# Allegro board gps_interface_boardv46ph.brd (continued)
## Routing (per net, layer and track width the routed paths; a pad name or vN(x,y) marks a point on that pad's centre or on a via; arc(x,y) is an arc through that point) (continued)
FMC.SCL3: length 257.2
  TOP w0.203: TP39.1 80.31,104.34 84.18,104.34 87.22,107.39 U19.11 ; v1(240.51,118.8) 240.51,119.05 240.51,119.05 J18.5
  SIG w0.33: 78.44,106.17 TP39.1 78.71,106.17 80.92,108.38 99.24,108.38 104.47,113.61 104.47,131.05 108.82,135.41 132.2,135.41 136.49,131.11 151.65,131.11 155.92,135.38 166.66,135.38 171.36,140.08 174.87,140.08 179.36,135.59 187.23,135.59 191.68,140.03 197.22,140.03 201.67,135.59 212.25,135.59 217,140.34 219.93,140.34 225.21,135.05 241.4,135.05 244.3,132.16 244.3,121.34 243.46,120.5 242.21,120.5 v1(240.51,118.8)
  BOTTOM w0.203: TP39.1 76.99,107.67 73.15,107.67 72.49,108.33 72.49,117.65 73.51,118.67 R84.2
FMC.SCL4: length 132.9
  TOP w0.203: J19.5 211.27,119.05 211.28,119.05 v1(211.28,118.8) ; TP33.1 118.16,105.92 101.4,105.92 99.93,107.39 U19.14
  SIG w0.203: v1(211.28,118.8) 210.16,118.8 208.32,116.95 207.12,116.95 206.36,117.72 204.28,117.72 193.19,106.63 186.89,106.63 185.22,104.95 185.22,104.37 184.78,103.94 177.01,103.94 175.34,102.26 158.42,102.26 157.05,103.63 153.52,103.63 151.28,101.4 129.79,101.4 127.51,103.68 124.99,103.68 123.75,104.93 119.58,104.93 118.41,106.1 TP33.1
  BOTTOM w0.203: R96.1 116.18,108.41 TP33.1
FMC.SCL5: length 121.7
  TOP w0.203: J20.5 188.97,119.05 188.98,119.05 v1(188.98,118.8) ; U19.16 100.18,108.69 101.83,107.04 115.75,107.04 TP31.1
  SIG w0.203: v1(188.98,118.8) 190.32,117.45 191.36,117.45 192.51,116.31 192.51,109.6 191.08,108.18 179.78,108.18 174.9,103.3 158.85,103.3 157.48,104.67 153.09,104.67 150.85,102.44 130.23,102.44 127.94,104.72 125.43,104.72 122.17,107.98 120.19,107.98 118.47,109.7 TP31.1
  BOTTOM w0.203: TP31.1 118.21,109.5 114.25,109.5 113.59,110.16 R98.1
FMC.SCL6: length 89.8
  TOP w0.203: v1(166.85,118.8) 166.85,119.05 166.85,119.05 J21.5 ; TP34.1 117.83,113.82 110.85,113.82 105.21,108.18 102.26,108.18 100.45,109.99 U19.18
  SIG w0.203: v1(166.85,118.8) 165.46,118.8 161.26,122.99 161.26,124.26 160.1,125.43 151.82,125.43 144.86,118.47 142.34,118.47 141.12,117.25 130,117.25 124.71,111.96 119.68,111.96 TP34.1
  BOTTOM w0.203: R100.1 112.76,112.76 113.56,113.56 118.08,113.56 TP34.1
FMC.SCL_FPGA: length 189.7
  TOP w0.203: v1(140.34,6.06) 140.34,4.77 139.81,4.24 112.19,4.24 105.84,10.59 105.84,14.53 90.12,30.25 90.12,71.53 v1(95.05,76.45) ; TP25.1 118.34,116.84 106.35,116.84 102.1,112.59 U19.22
  SIG w0.203: TP25.1 115.24,116.76 111.66,113.18 111.66,104.57 101.65,94.56 101.65,83.06 v1(95.05,76.45)
  BOTTOM w0.203: R91.2 118.43,116.78 TP25.1
  BOTTOM w0.33: J8.C30 v1(140.34,6.06)
FMC.SDA0: length 404.4
  TOP w0.203: v1(203.96,32.28) 203.61,31.93 203.61,14.02 202.05,12.47 U52.23 197.86,12.47 197.05,11.66 197.05,9.04 198.65,7.44 210.85,7.44 212.6,9.19 212.6,10.95 214.24,12.59 U53.23 ; U10.8 U10.7 66.02,69.75 66.7,70.43 v1(69.32,70.43) ; v1(29.08,83.95) 18.77,83.95 17.98,84.73 17.98,89.64 17.2,90.42 U46.1 ; v1(69.32,117.78) 70.31,118.77 80.01,118.77 TP44.1 84.3,116.76 84.96,116.1 84.96,114.26 87.31,111.91 91.59,111.91 91.62,111.94 U19.4 ; v1(69.32,43.64) 68.71,43.64 68.7,43.65 U13.7 U13.8 ; v1(29.08,61.57) 28.59,61.57 28.58,61.58 U8.7 U8.8 ; v1(111.05,70.92) 111.05,71.45 111.2,71.6 111.2,74.35 111.51,74.65 U48.18
  SIG w0.203: v1(69.32,70.43) 69.32,60.53 67.97,59.18 30.33,59.18 29.08,60.43 v1(29.08,61.57) v1(29.08,83.95) ; v1(109.7,66.4) 109.7,52.2 115.32,46.58 181.69,46.58 185.19,43.08 185.19,34.26 188.29,31.17 200.03,31.17 202.01,33.15 203.1,33.15 v1(203.96,32.28)
  BOTTOM w0.203: v1(111.05,70.92) 109.7,69.57 v1(109.7,66.4) ; v1(69.32,117.78) v1(69.32,70.43) v1(69.32,43.64) ; TP44.1 84.33,119.08 R89.2
FMC.SDA1: length 281.7
  TOP w0.203: TP42.1 84.05,113.23 86.64,110.64 U19.6 ; J13.4 285.68,122.56 v1(286.05,122.94)
  SIG w0.33: v1(286.05,122.94) 286.7,122.94 288.77,125.01 288.77,130.66 283.92,135.51 275.08,135.51 272.26,132.69 268.33,132.69 263.4,137.62 251.66,137.62 249.22,140.06 244.68,140.06 242.98,138.35 226.58,138.35 221.3,143.64 215.64,143.64 210.89,138.89 203.03,138.89 198.59,143.33 190.31,143.33 185.87,138.89 180.73,138.89 176.24,143.38 169.99,143.38 165.29,138.68 154.55,138.68 150.28,134.42 137.86,134.42 133.56,138.71 107.46,138.71 101.17,132.42 101.17,115.44 100.16,114.43 83.24,114.43 82.04,113.23 TP42.1
  BOTTOM w0.203: TP42.1 84.15,115.37 84.15,117.63 85.8,119.28 R87.2
FMC.SDA2: length 260.1
  TOP w0.203: J14.4 263.61,122.56 v1(263.98,122.94) ; TP40.1 85.06,109.7 85.43,109.34 U19.8
  SIG w0.33: TP40.1 82.04,109.7 83.24,110.9 100.32,110.9 103.33,113.9 103.33,131.53 108.35,136.55 132.67,136.55 136.96,132.26 151.18,132.26 155.44,136.53 166.19,136.53 170.89,141.22 175.34,141.22 179.84,136.73 186.76,136.73 191.21,141.17 197.69,141.17 202.14,136.73 211.78,136.73 216.53,141.48 220.4,141.48 225.68,136.19 242.44,136.19 245.69,132.94 249.53,132.94 251.61,135.03 262.28,135.03 265.71,131.6 265.71,123.97 264.9,123.16 264.21,123.16 v1(263.98,122.94)
  BOTTOM w0.203: R85.2 87.25,119.15 84.94,116.84 84.94,112.62 TP40.1
FMC.SDA3: length 241.1
  TOP w0.203: J18.4 241.31,122.62 v1(241.73,123.04) ; U19.10 86.45,108.04 84.58,106.17 TP38.1
  SIG w0.33: TP38.1 82.04,106.17 83.24,107.37 100.48,107.37 105.49,112.37 105.49,130.63 109.25,134.39 131.78,134.39 136.07,130.1 152.07,130.1 156.34,134.37 167.08,134.37 171.78,139.06 174.45,139.06 178.94,134.57 187.65,134.57 192.1,139.01 196.8,139.01 201.24,134.57 212.67,134.57 217.42,139.32 219.51,139.32 224.79,134.04 241.15,134.04 243.48,131.7 243.48,124.04 242.48,123.04 v1(241.73,123.04)
  BOTTOM w0.203: TP38.1 85.75,109.91 85.75,116.51 88.72,119.48 R83.2
FMC.SDA4: length 131.9
  TOP w0.203: U19.13 99.82,106.74 101.93,104.62 120.04,104.62 TP32.1 ; v1(212.07,121.87) J19.4
  SIG w0.203: v1(212.07,121.87) 212.07,121.45 208.1,117.47 207.34,117.47 206.58,118.24 204.06,118.24 193.24,107.42 179.76,107.42 175.12,102.78 158.64,102.78 157.26,104.15 153.3,104.15 151.07,101.92 130.01,101.92 127.72,104.2 125.21,104.2 123.19,106.22 TP32.1
  BOTTOM w0.203: TP32.1 123.34,107.92 R97.1
FMC.SDA5: length 120
  TOP w0.203: U19.15 100.09,108.04 101.63,106.5 116.1,106.5 117.47,107.87 119.76,107.87 TP30.1 ; v1(189.77,121.87) J20.4
  SIG w0.203: TP30.1 121.64,109.3 125.66,105.28 128.17,105.28 130.46,102.99 150.62,102.99 152.86,105.23 157.71,105.23 159.08,103.86 174.67,103.86 179.58,108.76 190.3,108.76 191.57,110.03 191.57,114.38 188.34,117.6 188.34,120.44 v1(189.77,121.87)
  BOTTOM w0.203: R99.1 TP30.1
FMC.SDA6: length 85.4
  TOP w0.203: v1(167.65,121.87) J21.4 ; U19.17 100.34,109.34 101.96,107.72 105.51,107.72 111.02,113.23 115.77,113.23 117.04,111.96 120.32,111.96 TP35.1
  SIG w0.203: TP35.1 124.99,113.28 129.54,117.83 140.72,117.83 149.5,126.62 159.61,126.62 163.46,122.77 166.75,122.77 v1(167.65,121.87)
  BOTTOM w0.203: R101.1 123.37,111.56 TP35.1
FMC.SDA_FPGA: length 193.2
  TOP w0.203: v1(139.06,6.06) 139.06,4.85 138.86,4.65 112.67,4.65 106.4,10.92 106.4,14.61 91.16,29.85 91.16,71.53 v1(95.05,75.41) ; TP26.1 120.37,118.08 106.25,118.08 101.4,113.24 U19.23
  SIG w0.203: v1(95.05,75.41) 102.39,82.75 102.39,94.26 112.39,104.27 112.39,112.88 114.73,115.21 120.04,115.21 TP26.1
  BOTTOM w0.203: TP26.1 121.65,116.83 R92.2
  BOTTOM w0.33: J8.C31 v1(139.06,6.06)
FMC.SFP_TX_DISABLE0: length 203.5
  TOP w0.203: U52.13 v1(199.69,32.74) ; J13.3 v1(286.48,118.88)
  SIG w0.203: v1(286.48,118.88) 286.48,115.6 287.53,114.55 288.49,114.55 291.26,111.79 292.61,111.79 301.37,103.02 301.37,66.88 296.85,62.36 268.76,62.36 261.21,54.81 256.59,54.81 228.09,26.31 205.51,26.31 203.89,27.94 203.89,30.89 205.23,32.23 205.23,33.83 204.32,34.75 200.66,34.75 199.69,33.78 v1(199.69,32.74)
FMC.SFP_TX_DISABLE1: length 161.9
  TOP w0.203: v1(221.74,32.54) 219.89,34.39 200.08,34.39 198.5,32.82 198.5,18.52 198.7,18.32 U52.14 ; J14.3 v1(264.41,118.82)
  SIG w0.203: v1(221.74,32.54) 252.04,62.84 262.81,62.84 270.26,70.28 270.26,79.15 275.41,84.3 275.41,97.84 274.02,99.24 274.02,107.62 266.88,114.76 265.43,114.76 264.41,115.78 v1(264.41,118.82)
FMC.SFP_TX_DISABLE2: length 145
  TOP w0.203: U52.15 197.7,17.67 197.23,18.14 197.23,33.07 199.81,35.65 v1(219.7,35.65) ; J18.3 v1(242.11,118.82)
  SIG w0.203: v1(219.7,35.65) 249.28,65.23 249.28,83.08 252.96,86.77 252.96,97.71 251.43,99.24 251.43,107.82 244.65,114.6 243.03,114.6 242.11,115.52 v1(242.11,118.82)
FMC.SFP_TX_DISABLE3: length 119.9
  TOP w0.203: U52.16 196.93,17.02 196.01,17.93 v1(196.01,32.77) ; J19.3 v1(212.87,118.82)
  SIG w0.203: v1(196.01,32.77) 198.55,35.31 198.55,83.29 201.04,85.78 201.04,100.15 199.75,101.45 199.75,112.17 203.35,115.77 204.57,115.77 205.66,114.68 208.48,114.68 209.35,115.54 210.85,115.54 212.87,117.57 v1(212.87,118.82)
FMC.SFP_TX_DISABLE4: length 180.6
  TOP w0.203: v1(212.42,38.81) 212.32,38.91 196.09,38.91 194.89,37.72 194.89,17.07 195.58,16.38 198.65,16.38 198.67,16.37 U52.17 ; J20.3 v1(190.57,118.82)
  SIG w0.203: v1(212.42,38.81) 212.42,62.31 206.12,68.61 206.12,77.83 204.62,79.32 204.62,85.14 208.51,89.03 208.51,103.4 207.7,104.22 207.7,105.71 209.22,107.24 218.72,107.24 222.17,110.69 222.17,121.4 221.45,122.12 215.95,122.12 214.86,123.22 206.73,123.22 204.55,125.4 202.31,125.4 198.45,121.54 195.83,121.54 193.12,118.82 v1(190.57,118.82)
FMC.SFP_TX_DISABLE5: length 252.5
  TOP w0.203: U52.18 193.98,15.72 193.78,15.92 v1(193.78,32.72) ; J21.3 v1(168.45,118.82)
  SIG w0.203: v1(168.45,118.82) 168.45,118.11 167.51,117.17 155.4,117.17 151.43,113.21 142.98,113.21 141.27,114.91 134.92,114.91 133.5,113.49 129.08,113.49 128.3,112.7 128.3,111.46 127.56,110.72 125.6,110.72 125.3,111.02 117.22,111.02 116.1,109.91 116.1,103.12 118.21,101.02 118.21,93.29 127.52,83.99 127.52,82.04 124.79,82.04 123.39,80.64 120.55,80.64 118.82,78.92 118.82,73.94 110.29,65.41 110.29,52.78 115.75,47.32 182.04,47.32 185.93,43.43 185.93,34.37 187.58,32.72 v1(193.78,32.72)
FMC.SPARE_BNC_0: length 231.8
  TOP w0.203: TP82.1 289.84,34.13 IC2.7
  SIG w0.203: v1(149.22,9.18) 149.78,9.74 149.78,26.64 146.84,29.59 128.42,29.59 127.18,30.84 127.18,33.96 127.38,34.16 160.5,34.16 168.22,26.44 183.62,26.44 187.38,22.68 238.63,22.68 246.15,30.2 248.33,30.2 249.5,29.03 285.6,29.03 288.54,31.98 TP82.1
  BOTTOM w0.33: J8.D23 v1(149.22,9.18)
FMC.SPARE_BNC_1: length 237.7
  TOP w0.203: TP83.1 290.34,34.64 IC2.6
  SIG w0.203: v1(147.96,9.18) 148.97,10.2 148.97,26.37 146.48,28.85 128.24,28.85 126.52,30.58 126.52,34.26 126.94,34.68 160.8,34.68 160.91,34.57 160.91,34.57 168.5,26.98 183.89,26.98 187.76,23.11 238.35,23.11 245.95,30.71 248.54,30.71 249.71,29.54 285.29,29.54 286.56,30.81 286.56,36.25 287.48,37.16 289.46,37.16 290.65,35.97 TP83.1
  BOTTOM w0.33: J8.D24 v1(147.96,9.18)
FMC.SPARE_LEMO_0: length 214.5
  TOP w0.203: IC1.7 282.83,29.94 TP84.1
  SIG w0.203: TP84.1 281.04,31.73 249.03,31.73 248.59,31.29 245.72,31.29 238.03,23.6 187.97,23.6 184.1,27.48 168.7,27.48 161.41,34.78 161,35.18 126.59,35.18 125.86,34.44 125.86,30.23 128.14,27.94 144.25,27.94 146,26.19 146,9.77 v1(145.41,9.18)
  BOTTOM w0.33: J8.D26 v1(145.41,9.18)
FMC.SPARE_LEMO_1: length 218.1
  TOP w0.203: IC1.6 283.33,29.97 TP85.1
  SIG w0.203: TP85.1 283.29,32.56 249.02,32.56 248.31,31.85 245.44,31.85 237.72,24.13 188.06,24.13 184.18,28.02 168.78,28.02 161.11,35.69 126.47,35.69 125.22,34.44 125.22,29.82 128.19,26.85 142.85,26.85 145.11,24.59 145.11,10.15 v1(144.15,9.18)
  BOTTOM w0.33: J8.D27 v1(144.15,9.18)
FMC.SPARE_RJ45_0_N: length 142.1
  TOP w0.33: v1(167,9.18) 167,9.5 168.05,10.54 168.05,13.59 167.16,14.48 167.16,26.7 186.39,45.92 236.62,45.92 246.62,35.93 246.62,25.2 v1(247.06,24.77) 246.62,24.33 246.62,20.95 246.99,20.57 246.99,19.12 J17.P3
  BOTTOM w0.33: U5.3 245.53,28.32 245.14,27.93 244.08,27.93 243.43,27.28 243.43,22.99 244.08,22.35 245.97,22.35 246.62,22.99 246.62,24.33 v1(247.06,24.77) ; J8.D9 v1(167,9.18)
FMC.SPARE_RJ45_0_P: length 139.7
  TOP w0.33: J17.P2 246.46,16.15 246.46,20.35 246.08,20.73 246.08,24.33 v1(245.64,24.77) 246.08,25.2 246.08,35.7 236.4,45.39 186.61,45.39 167.69,26.47 167.69,14.7 168.58,13.81 168.58,10.32 168.35,10.09 168.35,9.26 v1(168.28,9.18)
  BOTTOM w0.33: v1(245.64,24.77) 246.08,24.33 246.08,23.22 245.75,22.89 244.3,22.89 243.97,23.22 243.97,27.06 244.3,27.39 245.14,27.39 245.53,27 U5.1 ; J8.D8 v1(168.28,9.18)
FMC.SPARE_RJ45_1_N: length 153.6
  TOP w0.33: v1(163.19,9.18) 163.19,9.35 164.26,10.41 164.26,12.96 163.37,13.85 163.37,32.82 178.16,47.6 240.66,47.6 249.44,38.83 249.44,25.2 v1(249.88,24.77) 249.44,24.33 249.44,20.67 249.53,20.57 249.53,19.12 J17.P5
  BOTTOM w0.33: U5.6 248.5,27 248.89,27.39 251.05,27.39 251.38,27.06 251.38,23.63 250.55,22.81 249.8,22.81 249.45,23.16 249.45,24.34 v1(249.88,24.77) ; J8.D12 v1(163.19,9.18)
FMC.SPARE_RJ45_1_P: length 156.5
  TOP w0.33: v1(164.47,9.18) 164.47,9.86 164.8,10.19 164.8,13.18 163.91,14.07 163.91,32.6 178.38,47.07 240.44,47.07 248.9,38.61 248.9,25.2 v1(248.46,24.77) 248.9,24.33 248.9,20.45 249,20.35 249,16.15 J17.P4
  BOTTOM w0.33: U5.4 248.5,28.32 248.89,27.93 251.27,27.93 251.91,27.28 251.91,23.41 250.77,22.28 249.58,22.28 248.92,22.94 248.92,24.31 v1(248.46,24.77) ; J8.D11 v1(164.47,9.18)
FMC.SPARE_RJ45_LED_0: length 306.4
  TOP w0.203: v1(238.04,4.56) Q10.1
  SIG w0.203: v1(140.34,11.14) 140.34,13.67 141.58,14.91 141.58,23.39 139.57,25.4 127.2,25.4 124.61,27.99 124.61,34.85 126.11,36.35 126.16,36.35 126.22,36.41 161.21,36.41 169.06,28.55 184.45,28.55 188.39,24.61 237.31,24.61 245.05,32.35 247.62,32.35 248.53,33.27 277.64,33.27 282.04,37.67 292.89,37.67 294.41,36.14 294.41,20.52 291.57,17.68 272.97,17.68 271.75,18.9 261.57,18.9 256.01,13.34 245.24,13.34 243.94,14.63 241.96,14.63 238.02,10.69 238.02,4.58 v1(238.04,4.56)
  BOTTOM w0.33: J8.G30 v1(140.34,11.14)
FMC.SPARE_RJ45_LED_1: length 275
  TOP w0.203: v1(261.59,14.5) 262.14,14.5 262.15,14.51 Q14.1
  SIG w0.203: v1(261.59,14.5) 263.78,16.69 263.78,18.24 263.98,18.44 271.57,18.44 272.78,17.22 291.76,17.22 294.87,20.33 294.87,36.53 293.27,38.13 281.66,38.13 277.39,33.86 248.28,33.86 247.37,32.94 244.93,32.94 237.03,25.04 188.8,25.04 184.76,29.08 169.37,29.08 161.54,36.91 126.01,36.91 123.95,34.85 123.95,27.38 127,24.33 137.13,24.33 139.06,22.4 v1(139.06,11.14)
  BOTTOM w0.33: J8.G31 v1(139.06,11.14)
FMC.TEMP_INTR*: length 204.3
  TOP w0.203: U46.3 13.03,87.88 12.24,87.1 12.24,82.6 13.06,81.79 v1(31.67,81.79)
  SIG w0.203: v1(31.67,81.79) 31.67,79.4 33.43,77.65 53.7,77.65 55.63,79.58 86.72,79.58 95.28,71.02 95.28,31.11 96.77,29.62 119.53,29.62 122.53,26.62 122.53,24.92 124.59,22.86 136.25,22.86 137.62,21.49 137.62,11.99 138.13,11.48 138.13,10.9 138.58,10.44 141.63,10.44 142.27,11.07 144.08,11.07 v1(144.15,11.14)
  BOTTOM w0.17: J8.G27 v1(144.15,11.14)
FPGA_3V3: length 28
  TOP w0.203: C100.1 133.16,8.74 v1(132.72,9.18) 132.22,8.69 C101.1
  BOTTOM w0.17: J8.C39 v1(128.91,6.06)
  BOTTOM w0.305: C102.1 C104.1 C103.1
  BOTTOM w0.381: J8.D36 v1(132.72,9.18) 132.7,9.19 ; 131.11,9.19 J8.D38 J8.C39 ; 131.11,9.19 132.7,9.19 ; 131.11,9.19 127.65,9.19 v1(127.64,9.18) J8.D40 ; 132.7,9.19 137.78,9.19 v1(137.79,9.18) J8.D32
FPGA_12V: length 34.2
  TOP w0.33: 131.44,5.26 v1(131.44,6.06) ; 131.44,5.26 123.7,5.26 122.35,6.6 v1(122.35,14.71) ; 131.44,5.26 133.75,5.26 133.99,5.49 v1(133.99,6.06)
  BOTTOM w0.305: C97.1 C99.1 C98.1 120.98,16.08 v1(122.35,14.71)
  BOTTOM w0.381: J8.C37 v1(131.44,6.06) ; J8.C35 v1(133.99,6.06)
GPS_CLK10_N: length 4.1
  TOP w0.165: C39.2 109.65,87.04 109.93,86.76 109.93,86.52 109.81,86.4 R35.2 110.08,86.06 110.08,85.57 110.44,85.22 110.84,85.22 111.01,85.05 U48.64
GPS_CLK10_P: length 4.3
  TOP w0.165: U48.63 111.51,85.17 111.08,85.6 110.6,85.6 110.46,85.73 110.46,86.09 R35.1 110.63,86.33 110.44,86.52 110.44,86.76 110.72,87.04 C38.2
GPS_CLK_IN: length 3.1
  BOTTOM w0.165: R2.1 92.1,137.59 92.71,138.2 J1.1
GPS_GROUP.GPS_CLK_N: length 98.8
  TOP w0.203: 80.31,129.17 80.34,129.19 U1.10
  TOP w0.33: 80.31,129.17 80.31,122.32 79.23,121.23 68.13,121.23 65.28,118.38 65.28,103 67.83,100.46 96.94,100.46 97.66,101.17 108.75,101.17 109.92,99.99 109.92,89.5 109.65,89.23 C39.1
GPS_GROUP.GPS_CLK_P: length 98.9
  TOP w0.203: 80.9,129.17 80.86,129.21 80.86,129.28 80.88,129.3 80.88,131.04 U1.11
  TOP w0.33: C38.1 110.72,89.23 110.45,89.5 110.45,100.22 108.97,101.7 97.43,101.7 96.72,100.99 68.05,100.99 65.81,103.23 65.81,118.16 68.35,120.7 79.45,120.7 80.9,122.15 80.9,129.17
GPS_IRIGB_IN: length 9.5
  TOP w0.203: U47.2 63.13,136.46 63.73,137.06 R264.1 J4.1
GPS_PPS_IN: length 6.3
  TOP w0.203: U2.3 41.9,134.32 41.91,134.34 R267.1 J5.1
GPS_SYNC_IN: length 6.3
  TOP w0.203: U3.3 16.52,134.3 16.51,134.31 R268.1 J6.1
I2C_SW_RST*: length 99.4
  TOP w0.203: v1(107.07,38.26) 107.07,35.44 107.09,35.43 U18.10 ; U19.3 88.89,112.59 v1(88.57,112.9)
  BOTTOM w0.203: v1(107.07,38.26) 91.51,38.26 89.04,40.73 89.04,96.19 89.03,96.2 89.03,99.62 88.57,100.08 v1(88.57,112.9)
INTVCC_2V5: length 10
  TOP w0.203: R60.1 53.28,42.04 52.91,42.42 52.91,45.21 53.47,45.77 v1(53.72,45.77) ; v1(53.72,45.77) 54.94,45.77 55.57,45.14 U13.1 ; v1(53.72,45.77) 54.05,45.44 R59.1
  BOTTOM w0.203: v1(53.72,45.77) 54.05,45.44 C86.1
INTVCC_3V3: length 4.8
  TOP w0.203: U10.1 63.51,66.18 63.61,66.08 R55.1 63.61,64.07 v1(63.19,63.65)
  BOTTOM w0.203: C74.1 v1(63.19,63.65)
INTVCC_5V: length 4.6
  TOP w0.203: R48.1 v1(22.61,63.86) 23.34,63.86 24.13,63.07 U8.1
  BOTTOM w0.203: v1(22.61,63.86) C59.1
LED_0: length 7.8
  TOP w0.305: Q10.2 239.71,6.46 240.63,5.54 J17.P11
LED_1: length 11.2
  TOP w0.305: J17.P14 259.67,5.54 261.82,7.7 261.82,12 262.43,12.61 Q14.2
LEMO_DIR: length 17
  TOP w0.203: J12.2 J11.2 ; IC1.5 285.14,25.86 v1(285.72,25.27)
  BOTTOM w0.203: J12.2 277.04,25.27 v1(285.72,25.27)
MOD_ABS_SFP INTERFACE_ACLK SFP: length 2.9
  TOP w0.203: J30.6 136.81,121.77 137.02,121.97 v1(137.07,121.97)
  BOTTOM w0.203: R2679.2 136.93,122.11 v1(137.07,121.97)
MOD_ABS_SFP INTERFACE_SFP1: length 2.9
  TOP w0.203: v1(284.34,122.02) 284.29,122.02 284.08,121.82 J13.6
  BOTTOM w0.203: v1(284.34,122.02) 284.2,122.16 R127.2 284.2,123.07
MOD_ABS_SFP INTERFACE_SFP2: length 2.9
  TOP w0.203: v1(262.26,121.97) 262.21,121.97 262.01,121.77 J14.6
  BOTTOM w0.203: R148.2 262.13,122.11 v1(262.26,121.97)
MOD_ABS_SFP INTERFACE_SFP3: length 2.9
  TOP w0.203: v1(239.96,121.97) 239.91,121.97 239.71,121.77 J18.6
  BOTTOM w0.203: v1(239.96,121.97) 239.83,122.11 R169.2
MOD_ABS_SFP INTERFACE_SFP4: length 2.9
  TOP w0.203: v1(210.73,121.97) 210.68,121.97 210.47,121.77 J19.6
  BOTTOM w0.203: v1(210.73,121.97) 210.59,122.11 R190.2
MOD_ABS_SFP INTERFACE_SFP5: length 2.9
  TOP w0.203: v1(188.43,121.97) 188.38,121.97 188.17,121.77 J20.6
  BOTTOM w0.203: R211.2 188.29,122.11 v1(188.43,121.97)
MOD_ABS_SFP INTERFACE_SFP6: length 2.9
  TOP w0.203: v1(166.3,121.97) 166.25,121.97 166.05,121.77 J21.6
  BOTTOM w0.203: v1(166.3,121.97) 166.17,122.11 R232.2
N04910_SFP INTERFACE_SFP1: length 4.2
  TOP w0.165: v1(279.65,82.88) 280.05,83.27 U22.4 ; v1(279.65,85.06) 279.96,84.76 280.5,84.76 U22.1
  BOTTOM w0.165: v1(279.65,82.88) v1(279.65,85.06)
N04910_SFP INTERFACE_SFP2: length 4.2
  TOP w0.165: U26.1 258.43,84.86 257.89,84.86 v1(257.58,85.17) ; U26.4 257.97,83.37 v1(257.58,82.98)
  BOTTOM w0.165: v1(257.58,82.98) v1(257.58,85.17)
N04910_SFP INTERFACE_SFP3: length 4.2
  TOP w0.165: v1(235.28,82.98) 235.67,83.37 U30.4 ; v1(235.28,85.17) 235.59,84.86 236.13,84.86 U30.1
  BOTTOM w0.165: v1(235.28,82.98) v1(235.28,85.17)
N04910_SFP INTERFACE_SFP4: length 4.2
  TOP w0.165: U34.1 206.92,84.86 206.38,84.86 v1(206.07,85.17) ; v1(206.07,82.98) 206.46,83.37 U34.4
  BOTTOM w0.165: v1(206.07,82.98) v1(206.07,85.17)
N04910_SFP INTERFACE_SFP5: length 4.2
  TOP w0.165: v1(183.77,85.17) 184.07,84.86 184.62,84.86 U38.1 ; v1(183.77,82.98) 184.16,83.37 U38.4
  BOTTOM w0.165: v1(183.77,82.98) v1(183.77,85.17)
N04910_SFP INTERFACE_SFP6: length 4.2
  TOP w0.165: U42.1 162.49,84.86 161.95,84.86 v1(161.65,85.17) ; v1(161.65,82.98) 162.04,83.37 U42.4
  BOTTOM w0.165: v1(161.65,82.98) v1(161.65,85.17)
N04977_SFP INTERFACE_SFP1: length 4.4
  TOP w0.33: U22.5 281.11,82.16 v1(280.75,81.79) ; v1(283.06,81.79) 282.61,82.23 U22.8
  BOTTOM w0.165: v1(280.75,81.79) v1(283.06,81.79)
N04977_SFP INTERFACE_SFP2: length 4.4
  TOP w0.33: v1(258.67,81.89) 259.04,82.26 U26.5 ; U26.8 260.54,82.33 v1(260.99,81.89)
  BOTTOM w0.165: v1(258.67,81.89) v1(260.99,81.89)
N04977_SFP INTERFACE_SFP3: length 4.4
  TOP w0.33: v1(236.37,81.89) 236.74,82.26 U30.5 ; v1(238.68,81.89) 238.24,82.33 U30.8
  BOTTOM w0.165: v1(236.37,81.89) v1(238.68,81.89)
N04977_SFP INTERFACE_SFP4: length 4.4
  TOP w0.33: v1(209.47,81.89) 209.03,82.33 U34.8 ; U34.5 207.53,82.26 v1(207.16,81.89)
  BOTTOM w0.165: v1(207.16,81.89) v1(209.47,81.89)
N04977_SFP INTERFACE_SFP5: length 4.4
  TOP w0.33: v1(184.86,81.89) 185.23,82.26 U38.5 ; v1(187.17,81.89) 186.73,82.33 U38.8
  BOTTOM w0.165: v1(184.86,81.89) v1(187.17,81.89)
N04977_SFP INTERFACE_SFP6: length 4.4
  TOP w0.33: U42.5 163.11,82.26 v1(162.74,81.89) ; v1(165.05,81.89) 164.61,82.33 U42.8
  BOTTOM w0.165: v1(162.74,81.89) v1(165.05,81.89)
N136741_SFP INTERFACE_SFP1: length 3.6
  TOP w0.203: v1(277.91,106.26) 279.18,106.26 279.18,106.26 D17.1
  BOTTOM w0.203: R132.1 v1(277.91,106.26)
N136741_SFP INTERFACE_SFP2: length 3.6
  TOP w0.203: v1(255.84,106.26) 257.11,106.26 257.11,106.26 D21.1
  BOTTOM w0.203: R153.1 v1(255.84,106.26)
N136741_SFP INTERFACE_SFP3: length 3.6
  TOP w0.203: v1(233.54,106.26) 234.8,106.26 234.81,106.26 D25.1
  BOTTOM w0.203: R174.1 v1(233.54,106.26)
N136741_SFP INTERFACE_SFP4: length 3.6
  TOP w0.203: v1(204.31,106.26) 205.57,106.26 D29.1
  BOTTOM w0.203: R195.1 v1(204.31,106.26)
N136741_SFP INTERFACE_SFP5: length 3.6
  TOP w0.203: D33.1 183.27,106.26 v1(182,106.26)
  BOTTOM w0.203: R216.1 v1(182,106.26)
N136741_SFP INTERFACE_SFP6: length 3.4
  TOP w0.203: D37.1 161.15,106.26 161.14,106.25 160.23,106.25 v1(159.88,106.6)
  BOTTOM w0.203: R237.1 v1(159.88,106.6)
N141568_SFP INTERFACE_SFP1: length 35.2
  TOP w0.165: D17.2 v1(280.61,107.86)
  SIG w0.165: v1(277.88,77.85) 277.6,78.13 277.6,89.43 281.23,93.07 281.23,105.18 280.61,105.8 v1(280.61,107.86)
  BOTTOM w0.165: R131.2 278.21,77.51 v1(277.88,77.85) 277.88,78.96 U24.4
N141568_SFP INTERFACE_SFP2: length 35.1
  TOP w0.165: D21.2 v1(258.53,107.86)
  SIG w0.165: v1(255.8,77.95) 255.52,78.23 255.52,89.43 259.16,93.07 259.16,105.18 258.53,105.8 v1(258.53,107.86)
  BOTTOM w0.165: R152.2 256.14,77.62 v1(255.8,77.95) 255.8,79.06 U28.4
N141568_SFP INTERFACE_SFP3: length 34.8
  TOP w0.165: D25.2 v1(236.23,107.86)
  SIG w0.165: v1(236.23,107.86) 236.23,105.8 236.85,105.18 236.85,93.07 233.22,89.43 233.22,78.23 v1(233.5,77.95)
  BOTTOM w0.165: v1(233.5,77.95) 233.5,79.06 U32.4
  BOTTOM w0.33: R173.2 233.58,77.88 v1(233.5,77.95)
N141568_SFP INTERFACE_SFP4: length 35.5
  TOP w0.165: D29.2 v1(207,107.86)
  SIG w0.165: v1(204.29,77.95) 203.99,78.26 203.99,98.93 205.99,100.94 205.99,106.86 v1(207,107.86)
  BOTTOM w0.165: v1(204.29,77.95) 204.29,79.06 U36.4
  BOTTOM w0.203: U36.4 205.31,79.07 205.54,78.84 205.54,78.01 R194.2
N141568_SFP INTERFACE_SFP5: length 6.1
  BOTTOM w0.165: v1(181.99,77.95) 181.99,79.06 U40.4
  BOTTOM w0.203: R215.2 184.18,77.9 183.01,79.07 U40.4
N141568_SFP INTERFACE_SFP6: length 7.8
  TOP w0.165: v1(162.57,107.86) 162.55,107.86
  TOP w0.203: 162.55,107.86 D37.2
  SIG w0.165: v1(159.87,77.95) 159.56,78.26 159.56,78.13 159.84,77.85
  BOTTOM w0.165: v1(159.87,77.95) 159.87,79.06 U44.4
  BOTTOM w0.203: R236.2 162.05,77.9 160.88,79.07 U44.4
N210584_SFP INTERFACE_SFP1: length 5.6
  TOP w0.203: D16.1 279.04,73.52 279.11,73.46 v1(279.11,72.58)
  BOTTOM w0.203: R131.1 279.11,75.67 279.11,75.67 R133.1 v1(279.11,72.58)
N210584_SFP INTERFACE_SFP2: length 4.1
  TOP w0.203: v1(258.09,74.28) D20.1
  BOTTOM w0.203: v1(258.09,74.28) 257.84,74.28 R154.1 257.04,75.77 257.04,75.77 R152.1
N210584_SFP INTERFACE_SFP3: length 8.5
  TOP w0.203: v1(238.88,73.93) 238.88,74.8 238.81,74.87 D24.1
  BOTTOM w0.33: v1(238.88,73.93) 238.86,73.91 236.3,73.91 235.5,74.71 R175.1 235.5,76.31 R173.1
N210584_SFP INTERFACE_SFP4: length 8.5
  TOP w0.203: D28.1 209.6,74.87 209.67,74.8 v1(209.67,73.93)
  BOTTOM w0.165: v1(209.67,73.93) 206.9,73.93 206.54,74.28 R196.1 206.55,76.33 R194.1
N210584_SFP INTERFACE_SFP5: length 5.6
  TOP w0.203: v1(187.36,73.93) 187.36,74.8 187.3,74.87 D32.1
  BOTTOM w0.203: R215.1 187.37,77.02 187.36,77.01 R217.1 v1(187.36,73.93)
N210584_SFP INTERFACE_SFP6: length 5.6
  TOP w0.203: v1(165.24,73.93) 165.24,74.8 165.18,74.87 D36.1
  BOTTOM w0.203: v1(165.24,73.93) R238.1 165.24,77.01 165.25,77.02 R236.1
PG_2V5: length 12
  TOP w0.203: v1(53.57,53.77) 48.11,53.77 46.68,52.34 U12.4
  BOTTOM w0.203: Q6.1 55.11,55.04 55.13,55.02 R61.1 53.98,53.37 v1(53.57,53.77)
PG_3V3: length 32.9
  TOP w0.165: v1(51.87,71.58) 48.06,71.58 46.83,70.35 U9.4 ; U11.4 46.51,85.21 47.68,86.39 v1(51.87,86.39)
  BOTTOM w0.203: v1(51.87,71.58) v1(51.87,86.39) 52.3,86.82 R56.1 54.88,88.51 54.91,88.54 Q5.1
PG_3V5: length 18.2
  TOP w0.203: U6.31 8.06,44.82 v1(6.78,46.1)
  BOTTOM w0.203: v1(6.78,46.1) 7.29,45.59 7.29,34.21 7.3,34.2 R40.1 7.3,31.2 7.27,31.17 Q3.1
PG_5V: length 12
  TOP w0.165: 20.47,71.3 16.14,71.3 15.11,70.27 U7.4
  TOP w0.203: 20.47,71.3 20.47,71.32 v1(21.08,71.93)
  BOTTOM w0.203: v1(21.08,71.93) R50.1 23.63,73.67 23.67,73.71 Q4.1
PGOOD_P5V5: length 4.2